# KiCad board poly_kb_wave_left.kicad_pcb
title: Poly Keyboard Wave L; date: 2022-02-01; rev: 1.2; company: thpoll; note: AISLER Project ID: RHQTXHMD
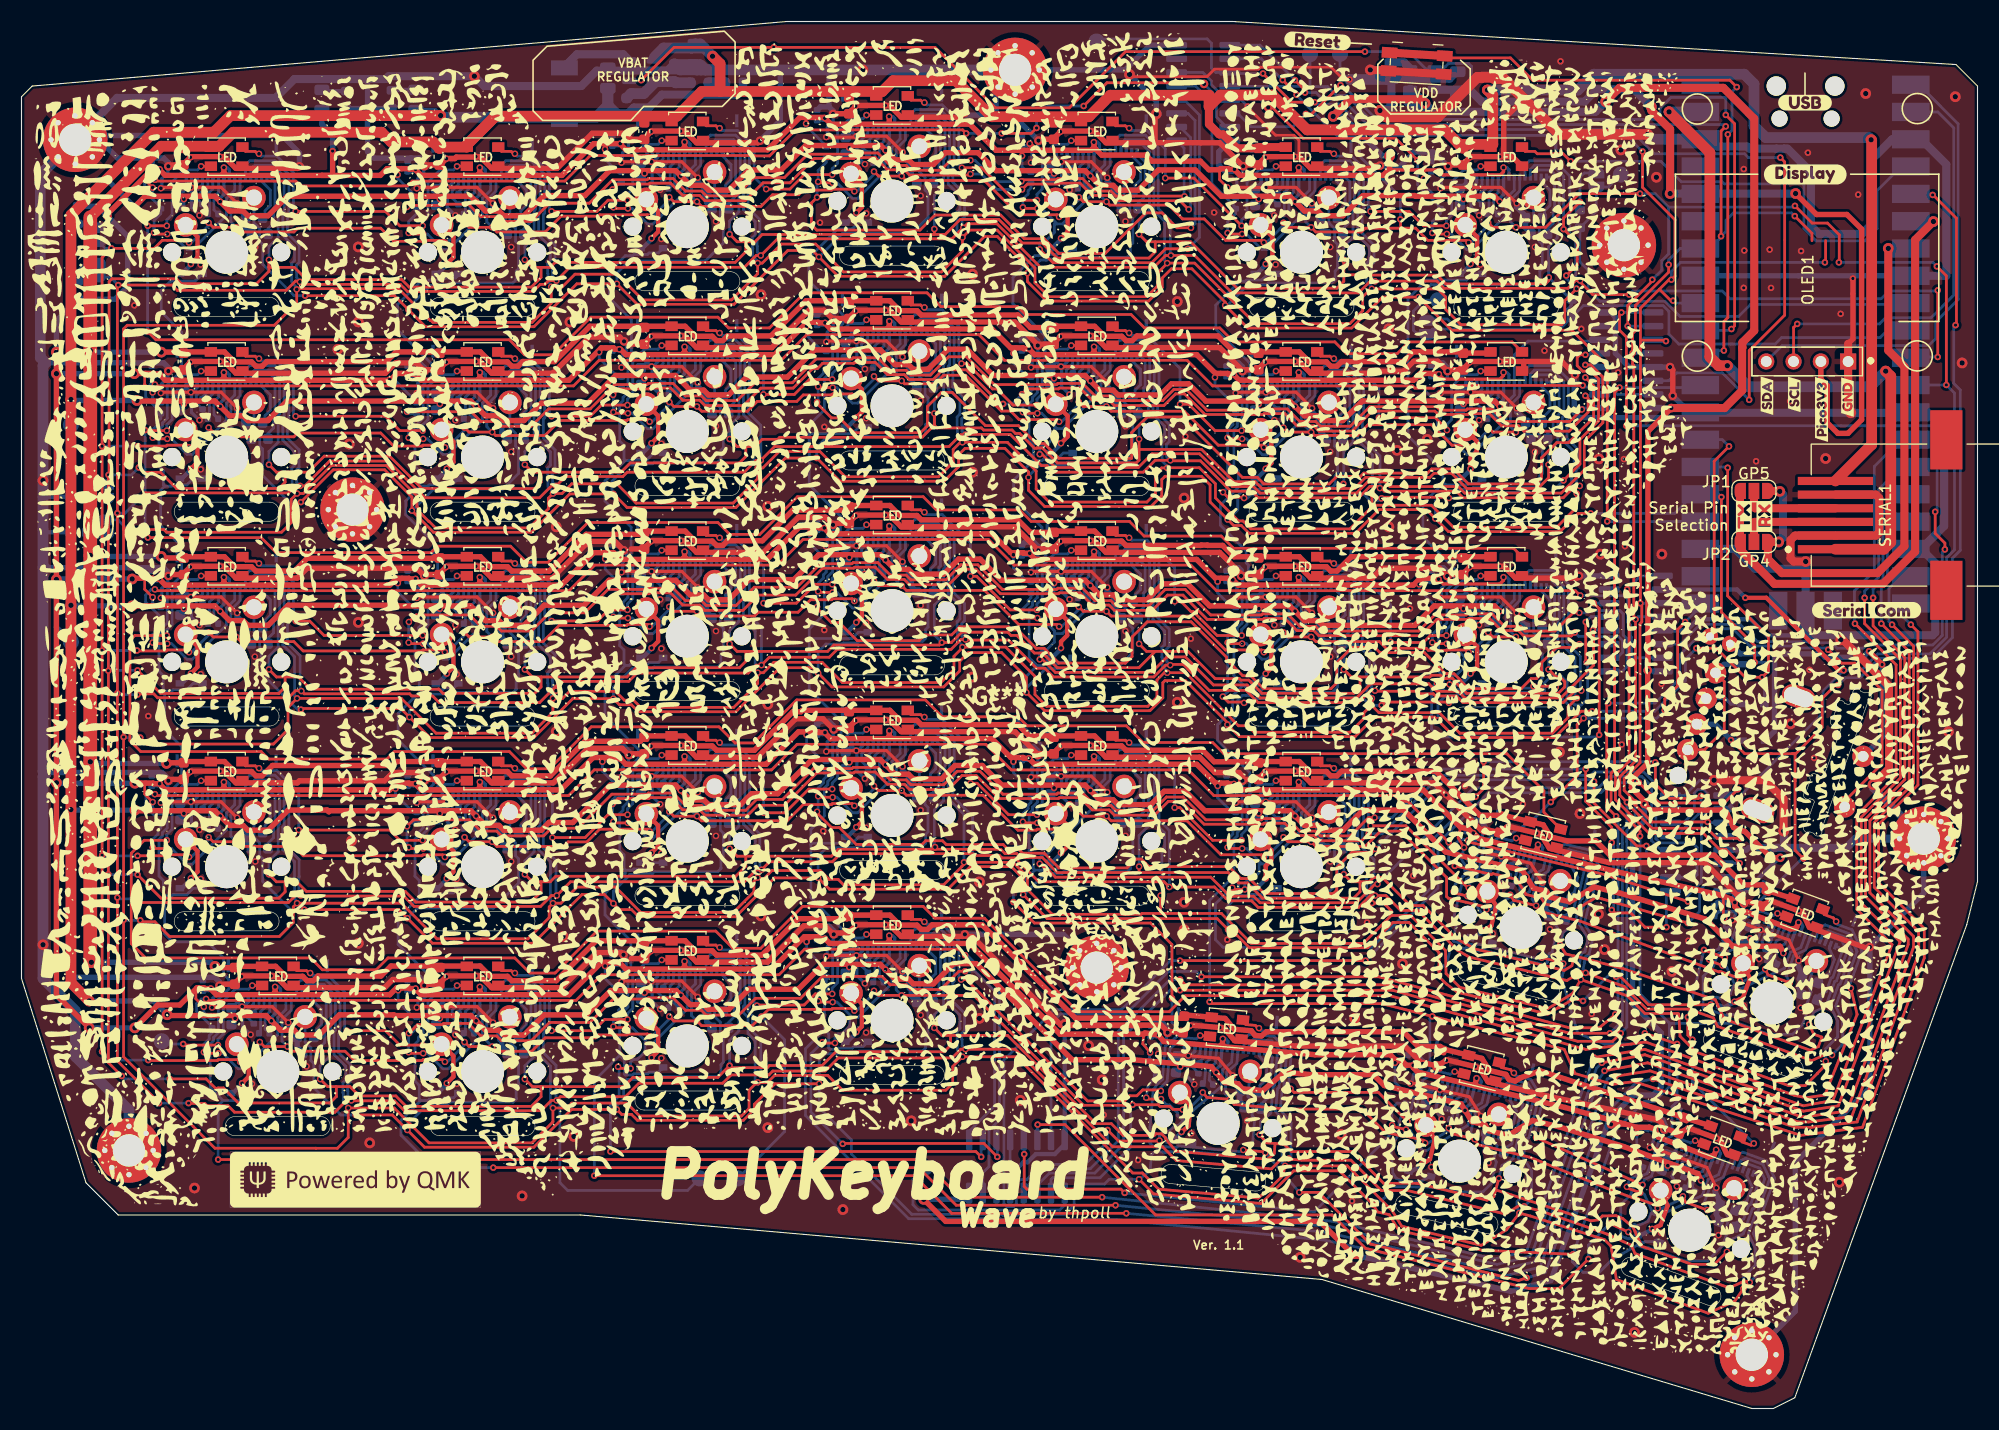
[diagram p0: board, top side]
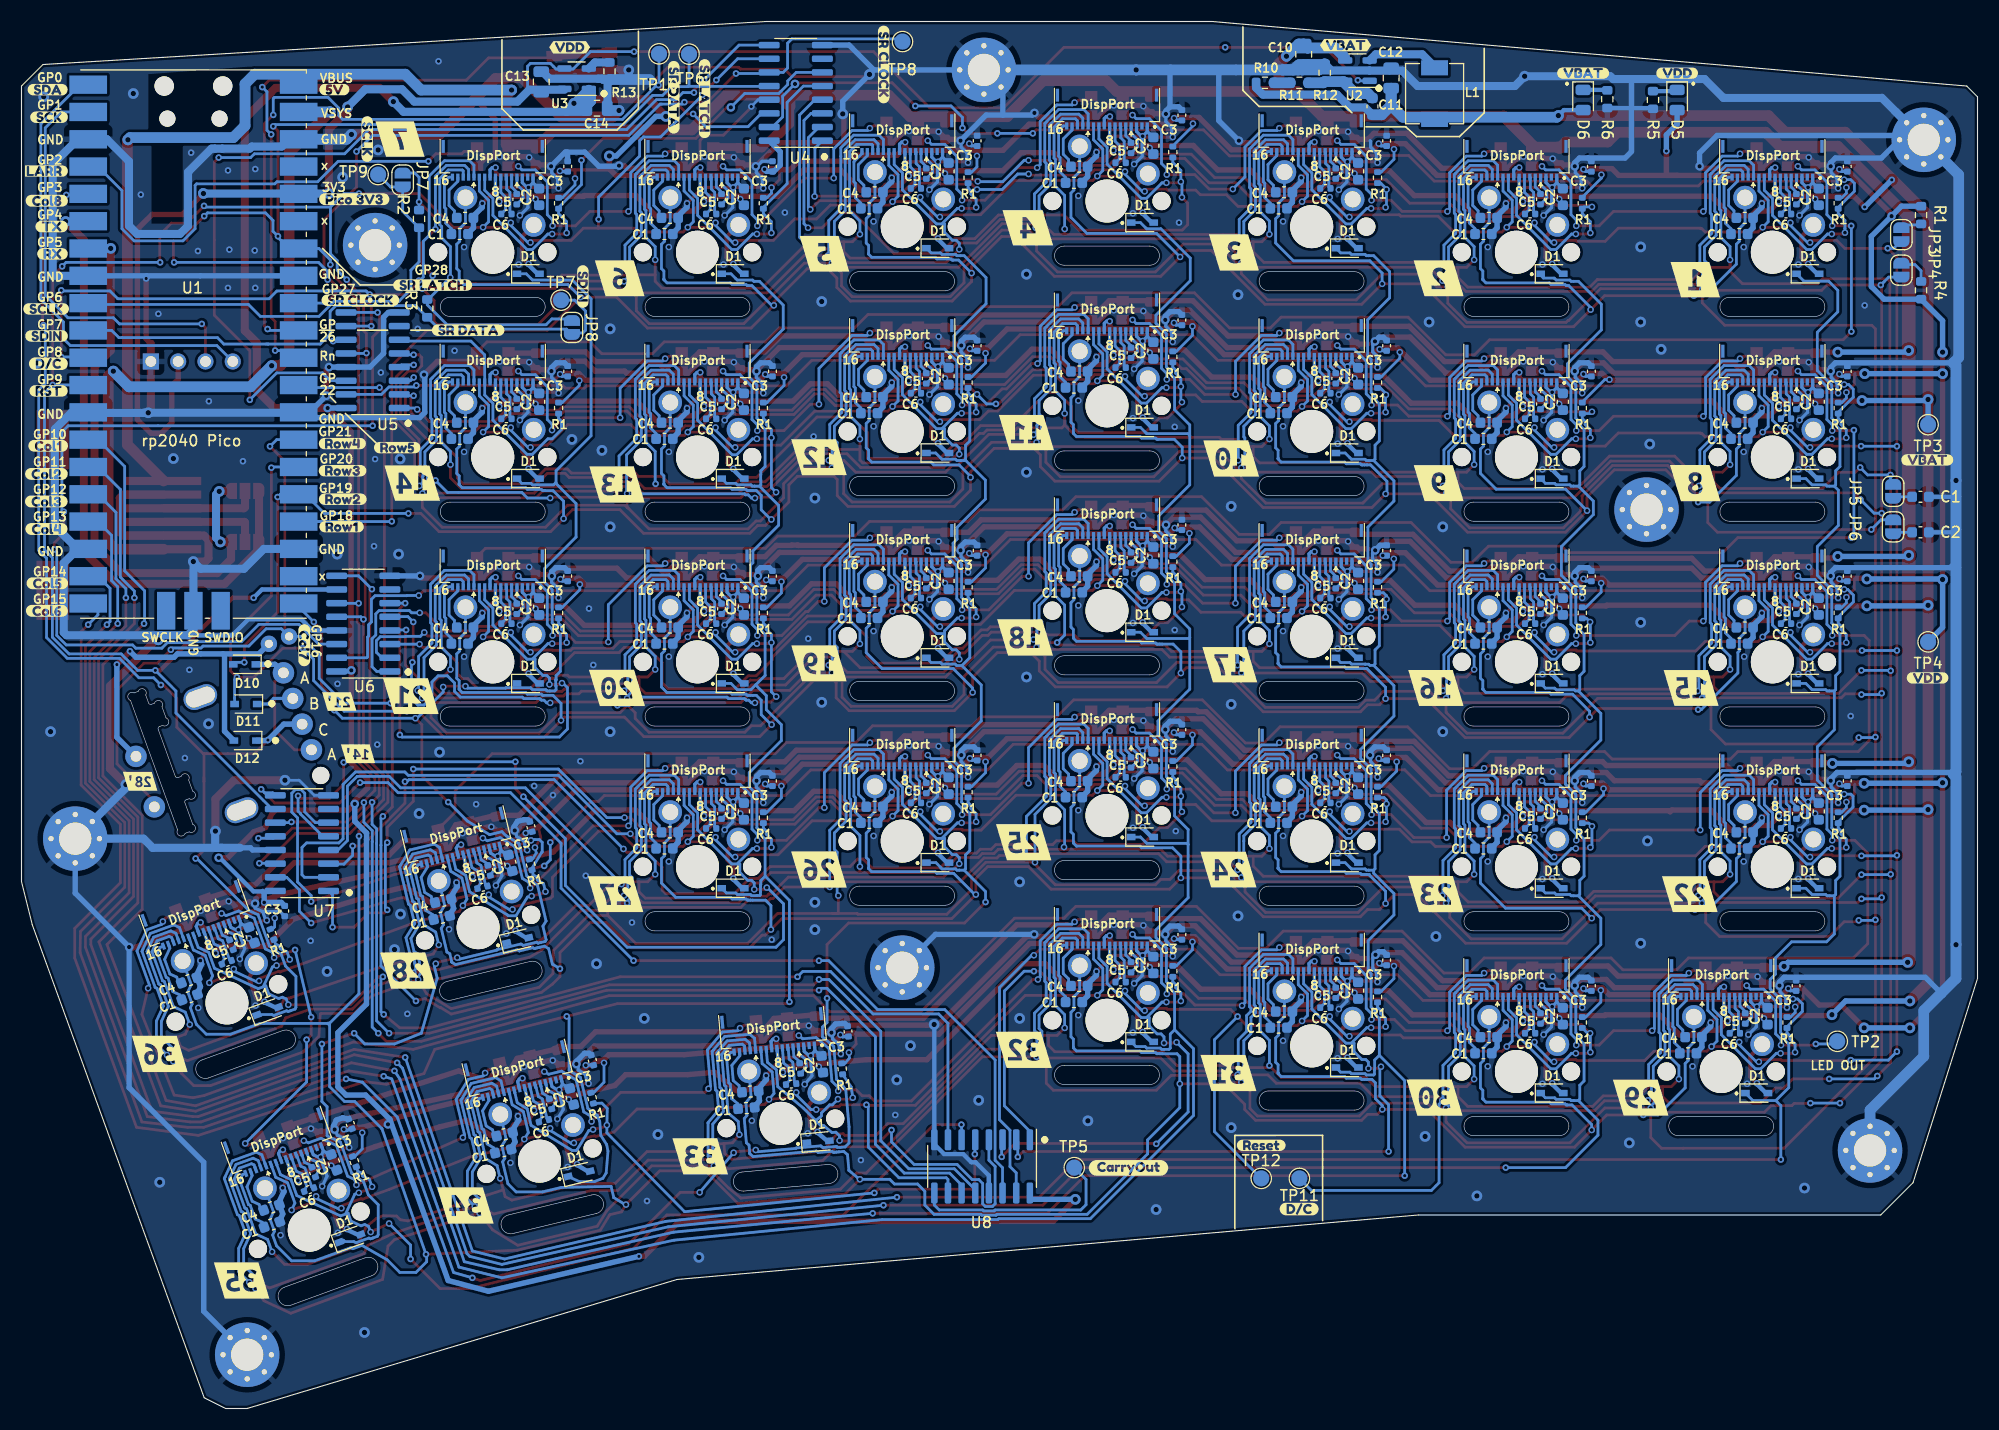
[diagram p1: board, bottom side, seen from below]

Outline 182 x 129 mm; copper layers: Top, Bottom. Coordinates in mm from the lower left corner of the outline.
Outline path: 0,122 0,40 6,21 9,18 52,18 121,12 161,0 163,0 165,1 181,45 182,49 182,123 180,125 112.7,129 71.2,129 1,123 0,122 ; 15.1,101.57 arc(14.21,102.46) 15.1,103.35 23.08,103.35 arc(23.97,102.46) 23.08,101.57 15.1,101.57 ; 15.1,82.52 arc(14.21,83.41) 15.1,84.3 23.08,84.3 arc(23.97,83.41) 23.08,82.52 15.1,82.52 ; 15.1,63.47 arc(14.21,64.36) 15.1,65.25 23.08,65.25 arc(23.97,64.36) 23.08,63.47 15.1,63.47 ; 15.1,44.42 arc(14.21,45.31) 15.1,46.2 23.08,46.2 arc(23.97,45.31) 23.08,44.42 15.1,44.42 ; 19.86,25.37 arc(18.97,26.26) 19.86,27.15 27.84,27.15 arc(28.73,26.26) 27.84,25.37 19.86,25.37 ; 38.91,101.57 arc(38.02,102.46) 38.91,103.35 46.89,103.35 arc(47.78,102.46) 46.89,101.57 38.91,101.57 ; 38.91,82.52 arc(38.02,83.41) 38.91,84.3 46.89,84.3 arc(47.78,83.41) 46.89,82.52 38.91,82.52 ; 38.91,63.47 arc(38.02,64.36) 38.91,65.25 46.89,65.25 arc(47.78,64.36) 46.89,63.47 38.91,63.47 ; 38.91,44.42 arc(38.02,45.31) 38.91,46.2 46.89,46.2 arc(47.78,45.31) 46.89,44.42 38.91,44.42 ; 38.91,25.37 arc(38.02,26.26) 38.91,27.15 46.89,27.15 arc(47.78,26.26) 46.89,25.37 38.91,25.37 ; 57.96,103.95 arc(57.07,104.84) 57.96,105.73 65.94,105.73 arc(66.83,104.84) 65.94,103.95 57.96,103.95 ; 57.96,84.9 arc(57.07,85.79) 57.96,86.68 65.94,86.68 arc(66.83,85.79) 65.94,84.9 57.96,84.9 ; 57.96,65.85 arc(57.07,66.74) 57.96,67.63 65.94,67.63 arc(66.83,66.74) 65.94,65.85 57.96,65.85 ; 57.96,46.8 arc(57.07,47.69) 57.96,48.58 65.94,48.58 arc(66.83,47.69) 65.94,46.8 57.96,46.8 ; 57.96,27.75 arc(57.07,28.64) 57.96,29.53 65.94,29.53 arc(66.83,28.64) 65.94,27.75 57.96,27.75 ; 77.01,106.34 arc(76.12,107.22) 77.01,108.11 84.99,108.11 arc(85.88,107.22) 84.99,106.34 77.01,106.34 ; 77.01,87.29 arc(76.12,88.17) 77.01,89.06 84.99,89.06 arc(85.88,88.17) 84.99,87.29 77.01,87.29 ; 77.01,68.24 arc(76.12,69.12) 77.01,70.01 84.99,70.01 arc(85.88,69.12) 84.99,68.24 77.01,68.24 ; 77.01,49.19 arc(76.12,50.08) 77.01,50.96 84.99,50.96 arc(85.88,50.08) 84.99,49.19 77.01,49.19 ; 77.01,30.14 arc(76.12,31.02) 77.01,31.91 84.99,31.91 arc(85.88,31.02) 84.99,30.14 77.01,30.14 ; 96.06,103.95 arc(95.17,104.84) 96.06,105.73 104.04,105.73 arc(104.93,104.84) 104.04,103.95 96.06,103.95 ; 96.06,84.9 arc(95.17,85.79) 96.06,86.68 104.04,86.68 arc(104.93,85.79) 104.04,84.9 96.06,84.9 ; 96.06,65.85 arc(95.17,66.74) 96.06,67.63 104.04,67.63 arc(104.93,66.74) 104.04,65.85 96.06,65.85 ; 96.06,46.8 arc(95.17,47.69) 96.06,48.58 104.04,48.58 arc(104.93,47.69) 104.04,46.8 96.06,46.8 ; 106.85,20.92 arc(106.04,21.88) 107,22.69 114.96,22 arc(115.76,21.03) 114.8,20.22 106.85,20.92 ; 115.11,101.57 arc(114.22,102.46) 115.11,103.35 123.09,103.35 arc(123.98,102.46) 123.09,101.57 115.11,101.57 ; 115.11,82.52 arc(114.22,83.41) 115.11,84.3 123.09,84.3 arc(123.98,83.41) 123.09,82.52 115.11,82.52 ; 115.11,63.47 arc(114.22,64.36) 115.11,65.25 123.09,65.25 arc(123.98,64.36) 123.09,63.47 115.11,63.47 ; 115.11,44.42 arc(114.22,45.31) 115.11,46.2 123.09,46.2 arc(123.98,45.31) 123.09,44.42 115.11,44.42 ; 128.52,18.13 arc(127.87,19.21) 128.94,19.86 136.7,18 arc(137.36,16.93) 136.28,16.27 128.52,18.13 ; 134.16,101.57 arc(133.27,102.46) 134.16,103.35 142.14,103.35 arc(143.03,102.46) 142.14,101.57 134.16,101.57 ; 134.16,82.52 arc(133.27,83.41) 134.16,84.3 142.14,84.3 arc(143.03,83.41) 142.14,82.52 134.16,82.52 ; 134.16,63.47 arc(133.27,64.36) 134.16,65.25 142.14,65.25 arc(143.03,64.36) 142.14,63.47 134.16,63.47 ; 134.24,39.85 arc(133.58,40.92) 134.65,41.58 142.41,39.72 arc(143.07,38.64) 142,37.99 134.24,39.85 ; 149.43,12.34 arc(148.9,13.48) 150.04,14.01 157.54,11.28 arc(158.07,10.14) 156.93,9.61 149.43,12.34 ; 157.09,33.48 arc(156.56,34.62) 157.7,35.15 165.2,32.42 arc(165.73,31.28) 164.59,30.75 157.09,33.48
Stack: Top 0.035mm / dielectric 1.51mm FR4 er 4.5 / Bottom 0.035mm

## Placement (name value [footprint] x y rotation side)
C1  10pF  [C_0603_1608Metric]  5.31 84.8 180 bottom
C1_1  2.2uF  [C_0603_1608Metric]  22.16 109.24 180 bottom
C1_2  2.2uF  [C_0603_1608Metric]  45.98 109.24 180 bottom
C1_3  2.2uF  [C_0603_1608Metric]  65.03 111.62 180 bottom
C1_4  2.2uF  [C_0603_1608Metric]  84.08 114 180 bottom
C1_5  2.2uF  [C_0603_1608Metric]  103.12 111.62 180 bottom
C1_6  2.2uF  [C_0603_1608Metric]  122.18 109.24 180 bottom
C1_7  2.2uF  [C_0603_1608Metric]  141.22 109.24 180 bottom
C1_8  2.2uF  [C_0603_1608Metric]  22.16 90.19 180 bottom
C1_9  2.2uF  [C_0603_1608Metric]  45.98 90.19 180 bottom
C1_10  2.2uF  [C_0603_1608Metric]  65.03 92.57 180 bottom
C1_11  2.2uF  [C_0603_1608Metric]  84.08 94.95 180 bottom
C1_12  2.2uF  [C_0603_1608Metric]  103.12 92.57 180 bottom
C1_13  2.2uF  [C_0603_1608Metric]  122.18 90.19 180 bottom
C1_14  2.2uF  [C_0603_1608Metric]  141.22 90.19 180 bottom
C1_15  2.2uF  [C_0603_1608Metric]  22.16 71.14 180 bottom
C1_16  2.2uF  [C_0603_1608Metric]  45.98 71.14 180 bottom
C1_17  2.2uF  [C_0603_1608Metric]  65.03 73.52 180 bottom
C1_18  2.2uF  [C_0603_1608Metric]  84.08 75.9 180 bottom
C1_19  2.2uF  [C_0603_1608Metric]  103.12 73.52 180 bottom
C1_20  2.2uF  [C_0603_1608Metric]  122.18 71.14 180 bottom
C1_21  2.2uF  [C_0603_1608Metric]  141.22 71.14 180 bottom
C1_22  2.2uF  [C_0603_1608Metric]  22.16 52.09 180 bottom
C1_23  2.2uF  [C_0603_1608Metric]  45.98 52.09 180 bottom
C1_24  2.2uF  [C_0603_1608Metric]  65.03 54.47 180 bottom
C1_25  2.2uF  [C_0603_1608Metric]  84.08 56.85 180 bottom
C1_26  2.2uF  [C_0603_1608Metric]  103.12 54.47 180 bottom
C1_27  2.2uF  [C_0603_1608Metric]  122.18 52.09 180 bottom
C1_28  2.2uF  [C_0603_1608Metric]  142.9 45.65 166.5 bottom
C1_29  2.2uF  [C_0603_1608Metric]  26.93 33.04 180 bottom
C1_30  2.2uF  [C_0603_1608Metric]  45.98 33.04 180 bottom
C1_31  2.2uF  [C_0603_1608Metric]  65.03 35.42 180 bottom
C1_32  2.2uF  [C_0603_1608Metric]  84.08 37.8 180 bottom
C1_33  2.2uF  [C_0603_1608Metric]  114.56 27.94 175 bottom
C1_34  2.2uF  [C_0603_1608Metric]  137.18 23.94 166.5 bottom
C1_35  2.2uF  [C_0603_1608Metric]  158.69 17.12 160 bottom
C1_36  2.2uF  [C_0603_1608Metric]  166.35 38.26 160 bottom
C2  10pF  [C_0603_1608Metric]  5.31 81.49 180 bottom
C2_1  2.2uF  [C_0603_1608Metric]  14.77 112.69 90 bottom
C2_2  2.2uF  [C_0603_1608Metric]  38.58 112.69 90 bottom
C2_3  2.2uF  [C_0603_1608Metric]  57.63 115.07 90 bottom
C2_4  2.2uF  [C_0603_1608Metric]  76.68 117.45 90 bottom
C2_5  2.2uF  [C_0603_1608Metric]  95.73 115.07 90 bottom
C2_6  2.2uF  [C_0603_1608Metric]  114.78 112.69 90 bottom
C2_7  2.2uF  [C_0603_1608Metric]  133.83 112.69 90 bottom
C2_8  2.2uF  [C_0603_1608Metric]  14.77 93.64 90 bottom
C2_9  2.2uF  [C_0603_1608Metric]  38.58 93.64 90 bottom
C2_10  2.2uF  [C_0603_1608Metric]  57.63 96.02 90 bottom
C2_11  2.2uF  [C_0603_1608Metric]  76.68 98.4 90 bottom
C2_12  2.2uF  [C_0603_1608Metric]  95.73 96.02 90 bottom
C2_13  2.2uF  [C_0603_1608Metric]  114.78 93.64 90 bottom
C2_14  2.2uF  [C_0603_1608Metric]  133.83 93.64 90 bottom
C2_15  2.2uF  [C_0603_1608Metric]  14.77 74.59 90 bottom
C2_16  2.2uF  [C_0603_1608Metric]  38.58 74.59 90 bottom
C2_17  2.2uF  [C_0603_1608Metric]  57.63 76.97 90 bottom
C2_18  2.2uF  [C_0603_1608Metric]  76.68 79.35 90 bottom
C2_19  2.2uF  [C_0603_1608Metric]  95.73 76.97 90 bottom
C2_20  2.2uF  [C_0603_1608Metric]  114.78 74.59 90 bottom
C2_21  2.2uF  [C_0603_1608Metric]  133.83 74.59 90 bottom
C2_22  2.2uF  [C_0603_1608Metric]  14.77 55.54 90 bottom
C2_23  2.2uF  [C_0603_1608Metric]  38.58 55.54 90 bottom
C2_24  2.2uF  [C_0603_1608Metric]  57.63 57.92 90 bottom
C2_25  2.2uF  [C_0603_1608Metric]  76.68 60.3 90 bottom
C2_26  2.2uF  [C_0603_1608Metric]  95.73 57.92 90 bottom
C2_27  2.2uF  [C_0603_1608Metric]  114.78 55.54 90 bottom
C2_28  2.2uF  [C_0603_1608Metric]  136.51 50.73 76.5 bottom
C2_29  2.2uF  [C_0603_1608Metric]  19.53 36.49 90 bottom
C2_30  2.2uF  [C_0603_1608Metric]  38.58 36.49 90 bottom
C2_31  2.2uF  [C_0603_1608Metric]  57.63 38.87 90 bottom
C2_32  2.2uF  [C_0603_1608Metric]  76.68 41.25 90 bottom
C2_33  2.2uF  [C_0603_1608Metric]  107.49 32.02 85 bottom
C2_34  2.2uF  [C_0603_1608Metric]  130.8 29.01 76.5 bottom
C2_35  2.2uF  [C_0603_1608Metric]  152.93 22.89 70 bottom
C2_36  2.2uF  [C_0603_1608Metric]  160.59 44.03 70 bottom
C3_1  1uF  [C_0402_1005Metric]  12.12 115.52 90 bottom
C3_2  1uF  [C_0402_1005Metric]  35.93 115.52 90 bottom
C3_3  1uF  [C_0402_1005Metric]  54.98 117.9 90 bottom
C3_4  1uF  [C_0402_1005Metric]  74.03 120.29 90 bottom
C3_5  1uF  [C_0402_1005Metric]  93.08 117.9 90 bottom
C3_6  1uF  [C_0402_1005Metric]  112.13 115.52 90 bottom
C3_7  1uF  [C_0402_1005Metric]  131.18 115.52 90 bottom
C3_8  1uF  [C_0402_1005Metric]  12.12 96.47 90 bottom
C3_9  1uF  [C_0402_1005Metric]  35.93 96.47 90 bottom
C3_10  1uF  [C_0402_1005Metric]  54.98 98.85 90 bottom
C3_11  1uF  [C_0402_1005Metric]  74.03 101.24 90 bottom
C3_12  1uF  [C_0402_1005Metric]  93.08 98.85 90 bottom
C3_13  1uF  [C_0402_1005Metric]  112.13 96.47 90 bottom
C3_14  1uF  [C_0402_1005Metric]  131.18 96.47 90 bottom
C3_15  1uF  [C_0402_1005Metric]  12.12 77.42 90 bottom
C3_16  1uF  [C_0402_1005Metric]  35.93 77.42 90 bottom
C3_17  1uF  [C_0402_1005Metric]  54.98 79.8 90 bottom
C3_18  1uF  [C_0402_1005Metric]  74.03 82.19 90 bottom
C3_19  1uF  [C_0402_1005Metric]  93.08 79.8 90 bottom
C3_20  1uF  [C_0402_1005Metric]  112.13 77.42 90 bottom
C3_21  1uF  [C_0402_1005Metric]  131.18 77.42 90 bottom
C3_22  1uF  [C_0402_1005Metric]  12.12 58.37 90 bottom
C3_23  1uF  [C_0402_1005Metric]  35.93 58.37 90 bottom
C3_24  1uF  [C_0402_1005Metric]  54.98 60.75 90 bottom
C3_25  1uF  [C_0402_1005Metric]  74.03 63.14 90 bottom
C3_26  1uF  [C_0402_1005Metric]  93.08 60.75 90 bottom
C3_27  1uF  [C_0402_1005Metric]  112.13 58.37 90 bottom
C3_28  1uF  [C_0402_1005Metric]  134.6 54.11 76.5 bottom
C3_29  1uF  [C_0402_1005Metric]  16.88 39.32 90 bottom
C3_30  1uF  [C_0402_1005Metric]  35.93 39.32 90 bottom
C3_31  1uF  [C_0402_1005Metric]  54.98 41.7 90 bottom
C3_32  1uF  [C_0402_1005Metric]  74.03 44.09 90 bottom
C3_33  1uF  [C_0402_1005Metric]  105.09 35.08 85 bottom
C3_34  1uF  [C_0402_1005Metric]  128.88 32.39 76.5 bottom
C3_35  1uF  [C_0402_1005Metric]  151.4 26.47 70 bottom
C3_36  1uF  [C_0402_1005Metric]  157.5 46.27 270 bottom
C4_1  4.7uF  [C_0603_1608Metric]  21.66 110.74 180 bottom
C4_2  4.7uF  [C_0603_1608Metric]  45.48 110.74 180 bottom
C4_3  4.7uF  [C_0603_1608Metric]  64.53 113.12 180 bottom
C4_4  4.7uF  [C_0603_1608Metric]  83.58 115.5 180 bottom
C4_5  4.7uF  [C_0603_1608Metric]  102.62 113.12 180 bottom
C4_6  4.7uF  [C_0603_1608Metric]  121.68 110.74 180 bottom
C4_7  4.7uF  [C_0603_1608Metric]  140.72 110.74 180 bottom
C4_8  4.7uF  [C_0603_1608Metric]  21.66 91.69 180 bottom
C4_9  4.7uF  [C_0603_1608Metric]  45.48 91.69 180 bottom
C4_10  4.7uF  [C_0603_1608Metric]  64.53 94.07 180 bottom
C4_11  4.7uF  [C_0603_1608Metric]  83.58 96.45 180 bottom
C4_12  4.7uF  [C_0603_1608Metric]  102.62 94.07 180 bottom
C4_13  4.7uF  [C_0603_1608Metric]  121.68 91.69 180 bottom
C4_14  4.7uF  [C_0603_1608Metric]  140.72 91.69 180 bottom
C4_15  4.7uF  [C_0603_1608Metric]  21.66 72.64 180 bottom
C4_16  4.7uF  [C_0603_1608Metric]  45.48 72.64 180 bottom
C4_17  4.7uF  [C_0603_1608Metric]  64.53 75.02 180 bottom
C4_18  4.7uF  [C_0603_1608Metric]  83.58 77.4 180 bottom
C4_19  4.7uF  [C_0603_1608Metric]  102.62 75.02 180 bottom
C4_20  4.7uF  [C_0603_1608Metric]  121.68 72.64 180 bottom
C4_21  4.7uF  [C_0603_1608Metric]  140.72 72.64 180 bottom
C4_22  4.7uF  [C_0603_1608Metric]  21.66 53.59 180 bottom
C4_23  4.7uF  [C_0603_1608Metric]  45.48 53.59 180 bottom
C4_24  4.7uF  [C_0603_1608Metric]  64.53 55.97 180 bottom
C4_25  4.7uF  [C_0603_1608Metric]  83.58 58.35 180 bottom
C4_26  4.7uF  [C_0603_1608Metric]  102.62 55.97 180 bottom
C4_27  4.7uF  [C_0603_1608Metric]  121.68 53.59 180 bottom
C4_28  4.7uF  [C_0603_1608Metric]  142.76 47.23 166.5 bottom
C4_29  4.7uF  [C_0603_1608Metric]  26.43 34.54 180 bottom
C4_30  4.7uF  [C_0603_1608Metric]  45.48 34.54 180 bottom
C4_31  4.7uF  [C_0603_1608Metric]  64.53 36.92 180 bottom
C4_32  4.7uF  [C_0603_1608Metric]  83.58 39.3 180 bottom
C4_33  4.7uF  [C_0603_1608Metric]  114.19 29.48 175 bottom
C4_34  4.7uF  [C_0603_1608Metric]  137.05 25.51 166.5 bottom
C4_35  4.7uF  [C_0603_1608Metric]  158.74 18.7 160 bottom
C4_36  4.7uF  [C_0603_1608Metric]  166.4 39.84 160 bottom
C5_1  1uF  [C_0402_1005Metric]  16.85 112.47 90 bottom
C5_2  1uF  [C_0402_1005Metric]  40.66 112.47 90 bottom
C5_3  1uF  [C_0402_1005Metric]  59.71 114.85 90 bottom
C5_4  1uF  [C_0402_1005Metric]  78.76 117.24 90 bottom
C5_5  1uF  [C_0402_1005Metric]  97.81 114.85 90 bottom
C5_6  1uF  [C_0402_1005Metric]  116.86 112.47 90 bottom
C5_7  1uF  [C_0402_1005Metric]  135.91 112.47 90 bottom
C5_8  1uF  [C_0402_1005Metric]  16.85 93.42 90 bottom
C5_9  1uF  [C_0402_1005Metric]  40.66 93.42 90 bottom
C5_10  1uF  [C_0402_1005Metric]  59.71 95.8 90 bottom
C5_11  1uF  [C_0402_1005Metric]  78.76 98.19 90 bottom
C5_12  1uF  [C_0402_1005Metric]  97.81 95.8 90 bottom
C5_13  1uF  [C_0402_1005Metric]  116.86 93.42 90 bottom
C5_14  1uF  [C_0402_1005Metric]  135.91 93.42 90 bottom
C5_15  1uF  [C_0402_1005Metric]  16.85 74.37 90 bottom
C5_16  1uF  [C_0402_1005Metric]  40.66 74.37 90 bottom
C5_17  1uF  [C_0402_1005Metric]  59.71 76.75 90 bottom
C5_18  1uF  [C_0402_1005Metric]  78.76 79.14 90 bottom
C5_19  1uF  [C_0402_1005Metric]  97.81 76.75 90 bottom
C5_20  1uF  [C_0402_1005Metric]  116.86 74.37 90 bottom
C5_21  1uF  [C_0402_1005Metric]  135.91 74.37 90 bottom
C5_22  1uF  [C_0402_1005Metric]  16.85 55.32 90 bottom
C5_23  1uF  [C_0402_1005Metric]  40.66 55.32 90 bottom
C5_24  1uF  [C_0402_1005Metric]  59.71 57.7 90 bottom
C5_25  1uF  [C_0402_1005Metric]  78.76 60.09 90 bottom
C5_26  1uF  [C_0402_1005Metric]  97.81 57.7 90 bottom
C5_27  1uF  [C_0402_1005Metric]  116.86 55.32 90 bottom
C5_28  1uF  [C_0402_1005Metric]  138.49 50.04 76.5 bottom
C5_29  1uF  [C_0402_1005Metric]  21.61 36.27 90 bottom
C5_30  1uF  [C_0402_1005Metric]  40.66 36.27 90 bottom
C5_31  1uF  [C_0402_1005Metric]  59.71 38.65 90 bottom
C5_32  1uF  [C_0402_1005Metric]  78.76 41.04 90 bottom
C5_33  1uF  [C_0402_1005Metric]  109.55 31.62 85 bottom
C5_34  1uF  [C_0402_1005Metric]  132.78 28.32 76.5 bottom
C5_35  1uF  [C_0402_1005Metric]  154.81 21.98 70 bottom
C5_36  1uF  [C_0402_1005Metric]  162.47 43.12 70 bottom
C6_1  1uF  [C_0402_1005Metric]  17.82 111.1 0 bottom
C6_2  1uF  [C_0402_1005Metric]  41.63 111.1 0 bottom
C6_3  1uF  [C_0402_1005Metric]  60.68 113.48 0 bottom
C6_4  1uF  [C_0402_1005Metric]  79.73 115.86 0 bottom
C6_5  1uF  [C_0402_1005Metric]  98.78 113.48 0 bottom
C6_6  1uF  [C_0402_1005Metric]  117.83 111.1 0 bottom
C6_7  1uF  [C_0402_1005Metric]  136.88 111.1 0 bottom
C6_8  1uF  [C_0402_1005Metric]  17.82 92.05 0 bottom
C6_9  1uF  [C_0402_1005Metric]  41.63 92.05 0 bottom
C6_10  1uF  [C_0402_1005Metric]  60.68 94.43 0 bottom
C6_11  1uF  [C_0402_1005Metric]  79.73 96.81 0 bottom
C6_12  1uF  [C_0402_1005Metric]  98.78 94.43 0 bottom
C6_13  1uF  [C_0402_1005Metric]  117.83 92.05 0 bottom
C6_14  1uF  [C_0402_1005Metric]  136.88 92.05 0 bottom
C6_15  1uF  [C_0402_1005Metric]  17.82 73 0 bottom
C6_16  1uF  [C_0402_1005Metric]  41.63 73 0 bottom
C6_17  1uF  [C_0402_1005Metric]  60.68 75.38 0 bottom
C6_18  1uF  [C_0402_1005Metric]  79.73 77.76 0 bottom
C6_19  1uF  [C_0402_1005Metric]  98.78 75.38 0 bottom
C6_20  1uF  [C_0402_1005Metric]  117.83 73 0 bottom
C6_21  1uF  [C_0402_1005Metric]  136.88 73 0 bottom
C6_22  1uF  [C_0402_1005Metric]  17.82 53.95 0 bottom
C6_23  1uF  [C_0402_1005Metric]  41.63 53.95 0 bottom
C6_24  1uF  [C_0402_1005Metric]  60.68 56.33 0 bottom
C6_25  1uF  [C_0402_1005Metric]  79.73 58.71 0 bottom
C6_26  1uF  [C_0402_1005Metric]  98.78 56.33 0 bottom
C6_27  1uF  [C_0402_1005Metric]  117.83 53.95 0 bottom
C6_28  1uF  [C_0402_1005Metric]  139.11 48.48 346.5 bottom
C6_29  1uF  [C_0402_1005Metric]  22.58 34.9 0 bottom
C6_30  1uF  [C_0402_1005Metric]  41.63 34.9 0 bottom
C6_31  1uF  [C_0402_1005Metric]  60.68 37.28 0 bottom
C6_32  1uF  [C_0402_1005Metric]  79.73 39.66 0 bottom
C6_33  1uF  [C_0402_1005Metric]  110.39 30.17 355 bottom
C6_34  1uF  [C_0402_1005Metric]  133.39 26.76 346.5 bottom
C6_35  1uF  [C_0402_1005Metric]  155.25 20.36 340 bottom
C6_36  1uF  [C_0402_1005Metric]  162.91 41.5 340 bottom
C7_1  DNP  [C_0603_1608Metric]  15.09 116.43 270 top
C7_2  DNP  [C_0603_1608Metric]  38.9 116.43 270 top
C7_3  DNP  [C_0603_1608Metric]  57.95 118.81 270 top
C7_4  DNP  [C_0603_1608Metric]  77 121.19 270 top
C7_5  DNP  [C_0603_1608Metric]  96.05 118.81 270 top
C7_6  DNP  [C_0603_1608Metric]  115.1 116.43 270 top
C7_7  DNP  [C_0603_1608Metric]  134.15 116.43 270 top
C7_8  DNP  [C_0603_1608Metric]  15.09 97.38 270 top
C7_9  DNP  [C_0603_1608Metric]  38.9 97.38 270 top
C7_10  DNP  [C_0603_1608Metric]  57.95 99.76 270 top
C7_11  DNP  [C_0603_1608Metric]  77 102.14 270 top
C7_12  DNP  [C_0603_1608Metric]  96.05 99.76 270 top
C7_13  DNP  [C_0603_1608Metric]  115.1 97.38 270 top
C7_14  DNP  [C_0603_1608Metric]  134.15 97.38 270 top
C7_15  DNP  [C_0603_1608Metric]  15.09 78.33 270 top
C7_16  DNP  [C_0603_1608Metric]  38.9 78.33 270 top
C7_17  DNP  [C_0603_1608Metric]  57.95 80.71 270 top
C7_18  DNP  [C_0603_1608Metric]  77 83.09 270 top
C7_19  DNP  [C_0603_1608Metric]  96.05 80.71 270 top
C7_20  DNP  [C_0603_1608Metric]  115.1 78.33 270 top
C7_21  DNP  [C_0603_1608Metric]  134.15 78.33 270 top
C7_22  DNP  [C_0603_1608Metric]  15.09 59.28 270 top
C7_23  DNP  [C_0603_1608Metric]  38.9 59.28 270 top
C7_24  DNP  [C_0603_1608Metric]  57.95 61.66 270 top
C7_25  DNP  [C_0603_1608Metric]  77 64.05 270 top
C7_26  DNP  [C_0603_1608Metric]  96.05 61.66 270 top
C7_27  DNP  [C_0603_1608Metric]  115.1 59.28 270 top
C7_28  DNP  [C_0603_1608Metric]  137.7 54.3 256.5 top
C7_29  DNP  [C_0603_1608Metric]  19.85 40.23 270 top
C7_30  DNP  [C_0603_1608Metric]  38.9 40.23 270 top
C7_31  DNP  [C_0603_1608Metric]  57.95 42.61 270 top
C7_32  DNP  [C_0603_1608Metric]  77 44.99 270 top
C7_33  DNP  [C_0603_1608Metric]  108.13 35.72 265 top
C7_34  DNP  [C_0603_1608Metric]  131.98 32.58 256.5 top
C7_35  DNP  [C_0603_1608Metric]  154.51 26.3 250 top
C7_36  DNP  [C_0603_1608Metric]  162.17 47.44 250 top
C10  10uF  [C_0805_2012Metric]  62.7 125.95 270 bottom
C11  22pF  [C_0603_1608Metric]  56.3 121.1 90 bottom
C12  10uF  [C_0805_2012Metric]  54.56 123.74 90 bottom
C13  10uF  [C_0805_2012Metric]  133.64 123.38 90 bottom
C14  10uF  [C_0805_2012Metric]  128.45 120.94 180 bottom
CONN1  0.42" Display Connector  [FPC_16_JUSHUO_AFC05_S16FIA_00_Rev2]  19.09 114.53 0 bottom
CONN2  0.42" Display Connector  [FPC_16_JUSHUO_AFC05_S16FIA_00_Rev2]  42.9 114.53 0 bottom
CONN3  0.42" Display Connector  [FPC_16_JUSHUO_AFC05_S16FIA_00_Rev2]  61.95 116.91 0 bottom
CONN4  0.42" Display Connector  [FPC_16_JUSHUO_AFC05_S16FIA_00_Rev2]  81 119.29 0 bottom
CONN5  0.42" Display Connector  [FPC_16_JUSHUO_AFC05_S16FIA_00_Rev2]  100.05 116.91 0 bottom
CONN6  0.42" Display Connector  [FPC_16_JUSHUO_AFC05_S16FIA_00_Rev2]  119.1 114.53 0 bottom
CONN7  0.42" Display Connector  [FPC_16_JUSHUO_AFC05_S16FIA_00_Rev2]  138.15 114.53 0 bottom
CONN8  0.42" Display Connector  [FPC_16_JUSHUO_AFC05_S16FIA_00_Rev2]  19.09 95.48 0 bottom
CONN9  0.42" Display Connector  [FPC_16_JUSHUO_AFC05_S16FIA_00_Rev2]  42.9 95.48 0 bottom
CONN10  0.42" Display Connector  [FPC_16_JUSHUO_AFC05_S16FIA_00_Rev2]  61.95 97.86 0 bottom
CONN11  0.42" Display Connector  [FPC_16_JUSHUO_AFC05_S16FIA_00_Rev2]  81 100.24 0 bottom
CONN12  0.42" Display Connector  [FPC_16_JUSHUO_AFC05_S16FIA_00_Rev2]  100.05 97.86 0 bottom
CONN13  0.42" Display Connector  [FPC_16_JUSHUO_AFC05_S16FIA_00_Rev2]  119.1 95.48 0 bottom
CONN14  0.42" Display Connector  [FPC_16_JUSHUO_AFC05_S16FIA_00_Rev2]  138.15 95.48 0 bottom
CONN15  0.42" Display Connector  [FPC_16_JUSHUO_AFC05_S16FIA_00_Rev2]  19.09 76.43 0 bottom
CONN16  0.42" Display Connector  [FPC_16_JUSHUO_AFC05_S16FIA_00_Rev2]  42.9 76.43 0 bottom
CONN17  0.42" Display Connector  [FPC_16_JUSHUO_AFC05_S16FIA_00_Rev2]  61.95 78.81 0 bottom
CONN18  0.42" Display Connector  [FPC_16_JUSHUO_AFC05_S16FIA_00_Rev2]  81 81.19 0 bottom
CONN19  0.42" Display Connector  [FPC_16_JUSHUO_AFC05_S16FIA_00_Rev2]  100.05 78.81 0 bottom
CONN20  0.42" Display Connector  [FPC_16_JUSHUO_AFC05_S16FIA_00_Rev2]  119.1 76.43 0 bottom
CONN21  0.42" Display Connector  [FPC_16_JUSHUO_AFC05_S16FIA_00_Rev2]  138.15 76.43 0 bottom
CONN22  0.42" Display Connector  [FPC_16_JUSHUO_AFC05_S16FIA_00_Rev2]  19.09 57.38 0 bottom
CONN23  0.42" Display Connector  [FPC_16_JUSHUO_AFC05_S16FIA_00_Rev2]  42.9 57.38 0 bottom
CONN24  0.42" Display Connector  [FPC_16_JUSHUO_AFC05_S16FIA_00_Rev2]  61.95 59.76 0 bottom
CONN25  0.42" Display Connector  [FPC_16_JUSHUO_AFC05_S16FIA_00_Rev2]  81 62.14 0 bottom
CONN26  0.42" Display Connector  [FPC_16_JUSHUO_AFC05_S16FIA_00_Rev2]  100.05 59.76 0 bottom
CONN27  0.42" Display Connector  [FPC_16_JUSHUO_AFC05_S16FIA_00_Rev2]  119.1 57.38 0 bottom
CONN28  0.42" Display Connector  [FPC_16_JUSHUO_AFC05_S16FIA_00_Rev2]  141.14 51.51 346.5 bottom
CONN29  0.42" Display Connector  [FPC_16_JUSHUO_AFC05_S16FIA_00_Rev2]  23.85 38.33 0 bottom
CONN30  0.42" Display Connector  [FPC_16_JUSHUO_AFC05_S16FIA_00_Rev2]  42.9 38.33 0 bottom
CONN31  0.42" Display Connector  [FPC_16_JUSHUO_AFC05_S16FIA_00_Rev2]  61.95 40.71 0 bottom
CONN32  0.42" Display Connector  [FPC_16_JUSHUO_AFC05_S16FIA_00_Rev2]  81 43.09 0 bottom
CONN33  0.42" Display Connector  [FPC_16_JUSHUO_AFC05_S16FIA_00_Rev2]  111.95 33.48 355 bottom
CONN34  0.42" Display Connector  [FPC_16_JUSHUO_AFC05_S16FIA_00_Rev2]  135.43 29.8 346.5 bottom
CONN35  0.42" Display Connector  [FPC_16_JUSHUO_AFC05_S16FIA_00_Rev2]  157.61 23.15 340 bottom
CONN36  0.42" Display Connector  [FPC_16_JUSHUO_AFC05_S16FIA_00_Rev2]  165.27 44.29 340 bottom
D1_1  D_Small  [D_SOD-323Ext]  15.79 105.54 180 bottom
D1_2  D_Small  [D_SOD-323Ext]  39.6 105.54 180 bottom
D1_3  D_Small  [D_SOD-323Ext]  58.65 107.92 180 bottom
D1_4  D_Small  [D_SOD-323Ext]  77.7 110.3 180 bottom
D1_5  D_Small  [D_SOD-323Ext]  96.75 107.92 180 bottom
D1_6  D_Small  [D_SOD-323Ext]  115.8 105.54 180 bottom
D1_7  D_Small  [D_SOD-323Ext]  134.85 105.54 180 bottom
D1_8  D_Small  [D_SOD-323Ext]  15.79 86.49 180 bottom
D1_9  D_Small  [D_SOD-323Ext]  39.6 86.49 180 bottom
D1_10  D_Small  [D_SOD-323Ext]  58.65 88.87 180 bottom
D1_11  D_Small  [D_SOD-323Ext]  77.7 91.25 180 bottom
D1_12  D_Small  [D_SOD-323Ext]  96.75 88.87 180 bottom
D1_13  D_Small  [D_SOD-323Ext]  115.8 86.49 180 bottom
D1_14  D_Small  [D_SOD-323Ext]  134.85 86.49 180 bottom
D1_15  D_Small  [D_SOD-323Ext]  15.79 67.44 180 bottom
D1_16  D_Small  [D_SOD-323Ext]  39.6 67.44 180 bottom
D1_17  D_Small  [D_SOD-323Ext]  58.65 69.82 180 bottom
D1_18  D_Small  [D_SOD-323Ext]  77.7 72.2 180 bottom
D1_19  D_Small  [D_SOD-323Ext]  96.75 69.82 180 bottom
D1_20  D_Small  [D_SOD-323Ext]  115.8 67.44 180 bottom
D1_21  D_Small  [D_SOD-323Ext]  134.85 67.44 180 bottom
D1_22  D_Small  [D_SOD-323Ext]  15.79 48.39 180 bottom
D1_23  D_Small  [D_SOD-323Ext]  39.6 48.39 180 bottom
D1_24  D_Small  [D_SOD-323Ext]  58.65 50.77 180 bottom
D1_25  D_Small  [D_SOD-323Ext]  77.7 53.15 180 bottom
D1_26  D_Small  [D_SOD-323Ext]  96.75 50.77 180 bottom
D1_27  D_Small  [D_SOD-323Ext]  115.8 48.39 180 bottom
D1_28  D_Small  [D_SOD-323Ext]  135.83 43.54 166.5 bottom